# KiCad board DFTBoard.kicad_pcb (continued)
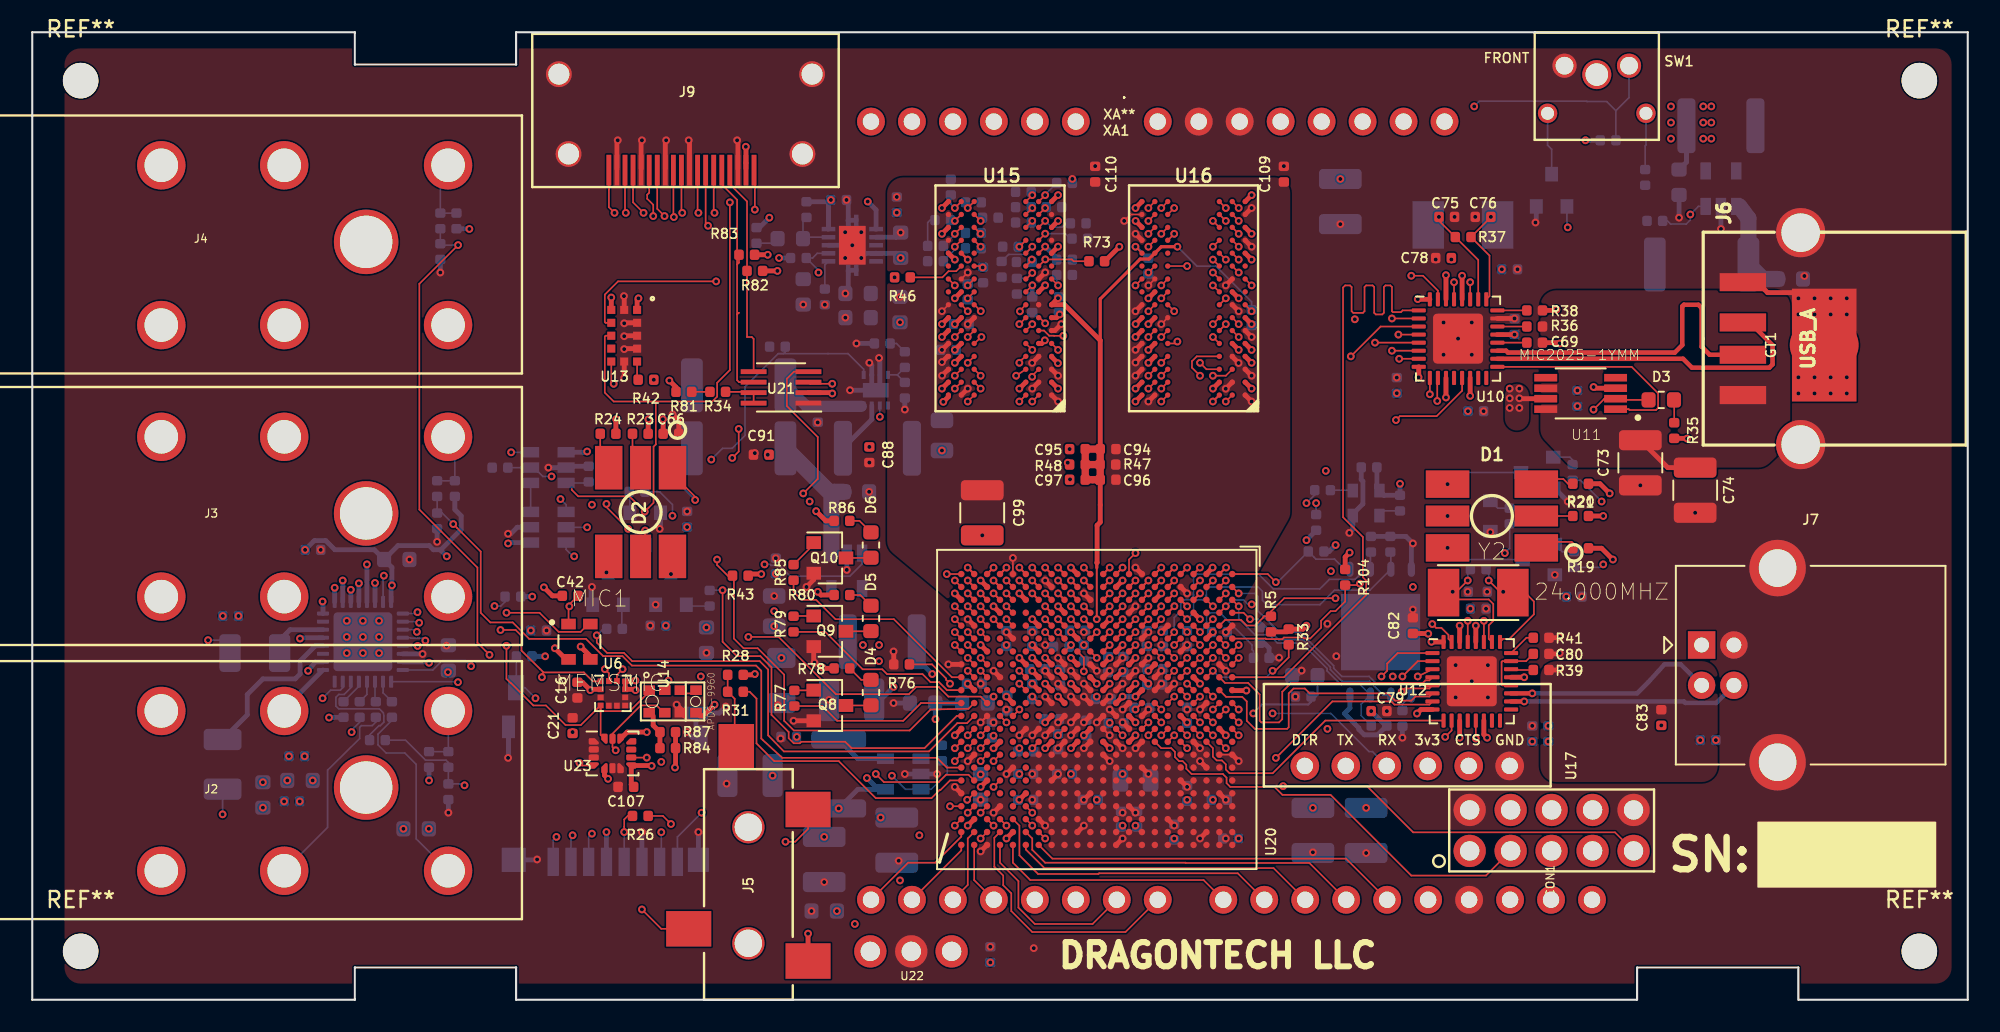
[diagram p0: board, top side]
## Routing (per net, layer and track width the routed paths; a pad name or vN(x,y) marks a point on that pad's centre or on a via; arc(x,y) is an arc through that point) (continued)
SD_D1: length 69.9
  TOP_GND w0.102: U20.E10 v1(71.6,18.8)
  SIGNAL4 w0.102: v1(41.5,11.6) 40.7,12.4 37.3,12.4 37,12.7 37,13.5 37.3,13.8 41.8,13.8 42.3,13.3 42.3,8.9 42.77,8.43 52.73,8.43 53.4,9.1 56.5,9.1 57.1,8.5 74.78,8.5 75.7,9.42 75.7,15.78 76.1,16.18 76.1,19 75.5,19.6 73.41,19.6 72.81,18.99 72.81,18.61 72.81,18.61 72.59,18.39 72.01,18.39 v1(71.6,18.8)
  BOTTOM w0.102: v1(41.5,11.6) 40,10.1 J8.8
SD_D2: length 69.1
  TOP_GND w0.102: U20.A8 v1(74.8,21.2)
  SIGNAL2 w0.102: v1(53.8,7.4) 53.52,7.12 53.52,6.22 52.4,5.1 51.98,5.1 50.59,3.71 47.69,3.71 46.3,5.1 43.3,5.1 43.23,5.11 43.17,5.13 43.11,5.17 43.07,5.21 43.03,5.27 43.01,5.33 42.99,5.47 42.97,5.53 42.93,5.59 42.89,5.63 42.83,5.67 42.77,5.69 42.7,5.7 42.3,5.7 42.23,5.69 42.17,5.67 42.11,5.63 42.07,5.59 42.03,5.53 42.01,5.47 42,5.4 42,4.8 41.99,4.73 41.97,4.67 41.93,4.61 41.89,4.57 41.83,4.53 41.77,4.51 41.7,4.5 41.3,4.5 41.23,4.51 41.17,4.53 41.11,4.57 41.07,4.61 41.03,4.67 41.01,4.73 41,4.8 41,5.4 40.99,5.47 40.97,5.53 40.93,5.59 40.89,5.63 40.83,5.67 40.77,5.69 40.7,5.7 40.3,5.7 40.23,5.69 40.17,5.67 40.11,5.63 40.07,5.59 40.03,5.53 40.01,5.47 39.99,5.33 39.97,5.27 39.93,5.21 39.89,5.17 39.83,5.13 39.77,5.11 39.7,5.1 38.88,5.1 34.28,9.7 32.9,9.7 v1(32.5,10.1)
  SIGNAL4 w0.102: v1(53.8,7.4) 54.8,7.4 54.9,7.5 76.6,7.5 77.1,8 77.1,14.09 77.6,14.58 77.6,17.64 77.02,18.22 77.02,19.34 75.15,21.2 v1(74.8,21.2)
  BOTTOM w0.102: J8.1 32.3,9.9 v1(32.5,10.1)
SD_D3: length 70.2
  TOP_GND w0.102: U20.F11 v1(70.8,18.8)
  SIGNAL4 w0.102: v1(70.8,18.8) 71.2,19.2 72.62,19.2 73.21,19.8 75.69,19.8 76.3,19.18 76.3,16.1 76.1,15.89 76.1,11.7 76.05,11.65 76.05,8.85 75.49,8.29 56.29,8.29 56.23,8.23 41.07,8.23 40.7,8.6 40.7,10.9 39.6,12 36.1,12 35.3,12.8 35.3,14 35,14.3 33.8,14.3 33.5,14 v1(33.5,10.2)
  BOTTOM w0.102: J8.2 33.4,10.1 v1(33.5,10.2)
STATLED_0: length 11.2
  TOP_GND w0.102: U20.AB11 55.1,18.4 54,17.3 49.9,17.3 48.99,18.22 47.2,18.22
STATLED_1: length 11.9
  TOP_GND w0.102: R79.2 49.16,22.81 51.49,20.49 52.69,20.49 52.99,20.19 55.19,20.19 55.69,19.69 56.22,19.69 56.72,19.2 U20.AB10
STATLED_2: length 13.3
  TOP_GND w0.102: U20.AB9 57.02,20 53.42,23.6 49.8,23.6 48.6,24.8 47.7,24.8 47.2,25.3 R85.2
TEMPO_LED: length 52.4
  TOP_GND w0.102: v1(62.8,22.8) U20.R6
  SIGNAL1 w0.102: v1(62.8,22.8) 63.99,21.61 68.57,21.61 68.58,21.6 68.79,21.81 68.79,22.97 69.03,23.21 70.61,23.21 71.4,24 72.22,24 72.8,24.58 72.8,25.5 72.9,25.6 73.38,25.6 73.61,25.83 73.61,26.19 73.83,26.41 74.21,26.41 75.4,27.6 75.4,29 79.7,33.3 79.7,40.9 85.1,46.3 93.6,46.3 v1(95.2,47.9)
  BOTTOM w0.102: v1(95.2,47.9) 95.15,47.95 Q7.1
TEMPO_SW: length 115
  TOP_GND w0.102: U20.Y14 v1(58.8,15.6)
  SIGNAL2 w0.102: v1(89.4,55.4) 88.6,56.2 51,56.2 48.6,53.8 47.2,53.8 44.4,51 39.52,51 37.19,48.67 37.19,39.21 39.71,36.69 40.62,36.69 42.73,34.59 43.28,34.59 46.53,31.34 46.53,26.49 50.51,22.51 50.51,21.71 53.43,18.79 53.59,18.79 54.2,18.18 54.2,17.4 55.59,16.01 58.39,16.01 v1(58.8,15.6)
  BOTTOM w0.102: SW1.2 99,55.95 98.19,55.14 ; v1(89.4,55.4) 89.73,55.73 96.37,55.73 96.4,55.7 97.62,55.7 98.19,55.14 ; 98.19,55.14 R44.2
TLV_RST#: length 50.2
  TOP_GND w0.102: v1(52.3,14) 52.8,13.5 56.2,13.5 56.65,13.95 58.05,13.95 U20.AA17
  SIGNAL1 w0.102: v1(52.3,14) 52.06,14.24 48.07,14.24 47.04,13.21 43.82,13.21 43.24,13.79 42.86,13.79 42.28,13.21 27.76,13.21 26.67,14.3 26.1,14.3 23,17.4 23,25.9 22.6,26.3 v1(21.8,26.3)
  BOTTOM w0.102: v1(21.8,26.3) 21.75,26.25 21.75,24.68
UART33_RX: length 18.5
  TOP_GND w0.102: U20.G7 v1(70,21.2)
  SIGNAL1 w0.102: v1(72.4,20.4) 72,20.8 70.4,20.8 v1(70,21.2)
  SIGNAL4 w0.102: v1(76.9,17.76) 76.81,17.85 76.81,19.25 75.27,20.8 72.8,20.8 v1(72.4,20.4)
  BOTTOM w0.102: v1(76.9,17.76) 80.51,17.76 82.88,15.39 83.09,15.39 U17.4
UART33_TX: length 14.7
  TOP_GND w0.102: U20.B4 v1(74,24.4)
  SIGNAL4 w0.102: U17.5 78.9,17.04 78.9,19.63 77.69,20.84 77.69,22.43 v1(75.61,24.52)
  BOTTOM w0.102: v1(74,24.4) 74.39,24.79 75.11,24.79 75.4,24.5
USB0_CLK: length 43
  TOP_GND w0.102: U20.A9 77.6,20 82.71,25.11 82.71,25.99 82.5,26.2 82.5,28.69 81.27,29.93 81.27,44.17 81.4,44.3 81.7,44.3 81.8,44.2 81.8,42.7 81.9,42.6 82.5,42.6 82.6,42.7 82.6,44.2 82.7,44.3 83.1,44.3 83.2,44.2 83.2,42.6 83.3,42.5 83.7,42.5 83.8,42.6 83.8,44.2 83.9,44.3 84.2,44.3 84.3,44.2 84.3,42.7 84.36,42.64 84.86,42.64 84.96,42.75 U10.1
USB0_D0: length 34.2
  TOP_GND w0.102: U10.3 83.6,41.75 v1(81.75,39.9) ; v1(73.2,22) 73.2,22 U20.C7
  SIGNAL2 w0.102: v1(81.75,39.9) 81.75,37.65 81.74,37.58 81.72,37.52 81.68,37.46 81.64,37.42 81.58,37.38 81.52,37.36 81.45,37.35 81.25,37.35 81.18,37.34 81.12,37.32 81.06,37.28 81.02,37.24 80.98,37.18 80.96,37.12 80.95,37.05 80.96,36.98 80.98,36.92 81.02,36.86 81.06,36.82 81.12,36.78 81.18,36.76 81.25,36.75 81.85,36.75 81.87,36.75 81.89,36.74 81.91,36.73 81.93,36.71 81.94,36.69 81.95,36.67 81.95,36.65 81.95,36.25 81.95,36.23 81.94,36.21 81.93,36.19 81.91,36.17 81.89,36.16 81.87,36.15 81.85,36.15 81.25,36.15 81.18,36.14 81.12,36.12 81.06,36.08 81.02,36.04 80.98,35.98 80.96,35.92 80.95,35.85 80.96,35.78 80.98,35.72 81.02,35.66 81.06,35.62 81.12,35.58 81.18,35.56 81.25,35.55 81.85,35.55 81.87,35.55 81.89,35.54 81.91,35.53 81.93,35.51 81.94,35.49 81.95,35.47 81.95,35.45 81.95,35.05 81.95,35.03 81.94,35.01 81.93,34.99 81.91,34.97 81.89,34.96 81.87,34.95 81.85,34.95 81.25,34.95 81.18,34.94 81.12,34.92 81.06,34.88 81.02,34.84 80.98,34.78 80.96,34.72 80.95,34.65 80.96,34.58 80.98,34.52 81.02,34.46 81.06,34.42 81.12,34.38 81.18,34.36 81.25,34.35 81.85,34.35 81.87,34.35 81.89,34.34 81.91,34.33 81.93,34.31 81.94,34.29 81.95,34.27 81.95,34.25 81.95,33.85 81.95,33.83 81.94,33.81 81.93,33.79 81.91,33.77 81.89,33.76 81.87,33.75 81.85,33.75 81.25,33.75 81.18,33.74 81.12,33.72 81.06,33.68 81.02,33.64 80.98,33.58 80.96,33.52 80.95,33.45 80.96,33.38 80.98,33.32 81.02,33.26 81.06,33.22 81.12,33.18 81.18,33.16 81.25,33.15 81.85,33.15 81.87,33.15 81.89,33.14 81.91,33.13 81.93,33.11 81.94,33.09 81.95,33.07 81.95,33.05 81.95,32.65 81.95,32.63 81.94,32.61 81.93,32.59 81.91,32.57 81.89,32.56 81.87,32.55 81.83,32.55 81.81,32.54 81.79,32.53 81.77,32.51 81.76,32.49 81.75,32.47 81.75,32.45 81.75,31.61 81.1,30.96 81.1,29.3 78.1,26.3 78.1,25.8 77.49,25.19 77.49,25.01 74.88,22.4 73.6,22.4 v1(73.2,22)
USB0_D1: length 41.3
  TOP_GND w0.102: v1(84.7,41.25) U10.4 ; U20.G13 v1(69.2,16.4)
  SIGNAL1 w0.102: v1(84.7,41.25) 85.19,40.76 85.19,26 85.2,26 v1(85.6,25.6)
  SIGNAL2 w0.102: v1(69.2,16.4) 71.2,14.4 77.09,14.4 82.8,20.11 82.8,20.23 84.49,21.92 84.49,24.49 v1(85.6,25.6)
USB0_D2: length 32.9
  TOP_GND w0.102: v1(74,18) U20.B12 ; U10.5 v1(83.25,40.75)
  SIGNAL2 w0.102: v1(83.25,40.75) 83.25,35.55 83.25,35.53 83.24,35.51 83.23,35.49 83.21,35.47 83.19,35.46 83.17,35.45 83.13,35.45 83.11,35.44 83.09,35.43 83.07,35.41 83.06,35.39 83.05,35.37 83.05,35.35 83.05,34.95 83.05,34.93 83.06,34.91 83.07,34.89 83.09,34.87 83.11,34.86 83.13,34.85 83.15,34.85 83.32,34.85 83.34,34.85 83.36,34.84 83.37,34.83 83.38,34.82 83.39,34.81 83.4,34.79 83.4,34.78 83.4,34.33 83.4,34.31 83.39,34.29 83.38,34.28 83.37,34.27 83.36,34.26 83.34,34.25 83.32,34.25 83.15,34.25 83.13,34.25 83.11,34.24 83.09,34.23 83.07,34.21 83.06,34.19 83.05,34.17 83.05,34.15 83.05,33.75 83.05,33.73 83.06,33.71 83.07,33.69 83.09,33.67 83.11,33.66 83.13,33.65 83.15,33.65 83.32,33.65 83.34,33.65 83.36,33.64 83.37,33.63 83.38,33.62 83.39,33.61 83.4,33.59 83.4,33.58 83.4,33.12 83.4,33.11 83.39,33.09 83.38,33.08 83.37,33.07 83.36,33.06 83.34,33.05 83.32,33.05 83.15,33.05 83.13,33.05 83.11,33.04 83.09,33.03 83.07,33.01 83.06,32.99 83.05,32.97 83.05,32.95 83.05,32.55 83.05,32.53 83.06,32.51 83.07,32.49 83.09,32.47 83.11,32.46 83.13,32.45 83.15,32.45 83.32,32.45 83.34,32.45 83.36,32.44 83.37,32.43 83.38,32.42 83.39,32.41 83.4,32.39 83.4,32.38 83.4,31.93 83.4,31.91 83.39,31.89 83.38,31.88 83.37,31.87 83.36,31.86 83.34,31.85 83.32,31.85 83.15,31.85 83.13,31.85 83.11,31.84 83.09,31.83 83.07,31.81 83.06,31.79 83.05,31.77 83.05,31.75 83.05,31.35 83.05,31.33 83.06,31.31 83.07,31.29 83.09,31.27 83.11,31.26 83.13,31.25 83.15,31.25 83.32,31.25 83.34,31.25 83.36,31.24 83.37,31.23 83.38,31.22 83.39,31.21 83.4,31.19 83.4,31.18 83.4,30.72 83.4,30.71 83.39,30.69 83.38,30.68 83.37,30.67 83.36,30.66 83.34,30.65 83.32,30.65 83.15,30.65 83.13,30.65 83.11,30.64 83.09,30.63 83.07,30.61 83.06,30.59 83.05,30.57 83.05,30.55 83.05,30.15 83.05,30.13 83.06,30.11 83.07,30.09 83.09,30.07 83.11,30.06 83.13,30.05 83.15,30.05 83.32,30.05 83.34,30.05 83.36,30.04 83.37,30.03 83.38,30.02 83.39,30.01 83.4,29.99 83.4,29.97 83.4,29.53 83.4,29.51 83.39,29.49 83.38,29.48 83.37,29.47 83.36,29.46 83.34,29.45 83.32,29.45 83.15,29.45 83.13,29.45 83.11,29.44 83.09,29.43 83.07,29.41 83.06,29.39 83.05,29.37 83.05,29.35 83.05,28.95 83.05,28.93 83.06,28.91 83.07,28.89 83.09,28.87 83.11,28.86 83.13,28.85 83.17,28.85 83.19,28.84 83.21,28.83 83.23,28.81 83.24,28.79 83.25,28.77 83.25,28.75 83.25,27.95 78.89,23.59 78.81,23.59 78.61,23.39 78.61,23.31 74,18.7 v1(74,18)
USB0_D3: length 36.7
  TOP_GND w0.102: U20.F14 v1(70.8,16.4) ; U10.6 v1(84.3,40.25)
  SIGNAL2 w0.102: v1(70.8,16.4) 71.19,16.01 76.12,16.01 76.71,16.6 77,16.6 82.97,22.57 82.97,24.43 85.14,26.59 85.14,30.66 85.4,30.91 85.4,32.29 85.14,32.54 85.14,39.94 84.83,40.25 v1(84.3,40.25)
USB0_D4: length 32.4
  TOP_GND w0.102: U20.A12 v1(74.8,17.2) ; v1(84.75,39.75) U10.7
  SIGNAL2 w0.102: v1(84.75,39.75) 84,39 84,36.2 84,36.19 84,36.18 83.99,36.17 83.98,36.16 83.97,36.15 83.96,36.15 83.94,36.15 83.93,36.15 83.92,36.14 83.91,36.13 83.9,36.12 83.9,36.11 83.9,36.1 83.9,35.6 83.9,35.59 83.9,35.58 83.91,35.57 83.92,35.56 83.93,35.55 83.94,35.55 83.95,35.55 84.15,35.55 84.18,35.55 84.22,35.54 84.24,35.52 84.27,35.49 84.29,35.47 84.3,35.43 84.3,35.4 84.3,35.1 84.3,35.07 84.29,35.03 84.27,35.01 84.24,34.98 84.22,34.96 84.18,34.95 84.15,34.95 83.95,34.95 83.94,34.95 83.93,34.95 83.92,34.94 83.91,34.93 83.9,34.92 83.9,34.91 83.9,34.9 83.9,34.4 83.9,34.39 83.9,34.38 83.91,34.37 83.92,34.36 83.93,34.35 83.94,34.35 83.95,34.35 84.15,34.35 84.18,34.35 84.22,34.34 84.24,34.32 84.27,34.29 84.29,34.27 84.3,34.23 84.3,34.2 84.3,33.9 84.3,33.87 84.29,33.83 84.27,33.81 84.24,33.78 84.22,33.76 84.18,33.75 84.15,33.75 83.95,33.75 83.94,33.75 83.93,33.75 83.92,33.74 83.91,33.73 83.9,33.72 83.9,33.71 83.9,33.7 83.9,33.2 83.9,33.19 83.9,33.18 83.91,33.17 83.92,33.16 83.93,33.15 83.94,33.15 83.95,33.15 84.15,33.15 84.18,33.15 84.22,33.14 84.24,33.12 84.27,33.09 84.29,33.07 84.3,33.03 84.3,33 84.3,32.7 84.3,32.67 84.29,32.63 84.27,32.61 84.24,32.58 84.22,32.56 84.18,32.55 84.12,32.55 84.08,32.54 84.06,32.52 84.03,32.49 84.01,32.47 84,32.43 84,32.4 84,26.4 82.04,24.44 81.99,24.4 81.94,24.38 81.89,24.37 81.83,24.37 81.78,24.38 81.73,24.4 81.64,24.47 81.59,24.5 81.54,24.51 81.48,24.51 81.42,24.5 81.37,24.47 81.33,24.44 81.26,24.37 81.22,24.32 81.2,24.27 81.19,24.22 81.19,24.16 81.2,24.11 81.22,24.06 81.26,24.01 81.68,23.59 81.73,23.54 81.75,23.48 81.77,23.41 81.77,23.34 81.75,23.28 81.73,23.22 81.68,23.16 81.63,23.12 81.57,23.09 81.51,23.08 81.44,23.08 81.37,23.09 81.31,23.12 81.26,23.16 81.22,23.2 81.17,23.24 81.11,23.27 81.05,23.29 80.98,23.29 80.91,23.27 80.85,23.24 80.8,23.2 76.15,18.55 76.15,17.65 75.7,17.2 v1(74.8,17.2)
USB0_D5: length 30.4
  TOP_GND w0.102: U10.9 v1(86.65,37.55) ; U20.B14 v1(74,15.6)
  SIGNAL2 w0.102: v1(86.65,37.55) 86.65,27.66 83.29,24.31 83.29,22.09 77.3,16.1 76.5,16.1 76,15.6 v1(74,15.6)
USB0_D6: length 35.7
  TOP_GND w0.102: U10.10 87.11,38.52 v1(87.11,37.13) ; U20.F13 v1(70,16.4)
  SIGNAL2 w0.102: v1(70,16.4) 71.19,15.21 76.51,15.21 76.9,15.6 77.5,15.6 83.72,21.82 83.72,24.38 87.11,27.76 v1(87.11,37.13)
USB0_D7: length 32.2
  TOP_GND w0.102: v1(84.55,35.95) 84.79,36.19 87.07,36.19 88.65,37.77 U10.13 ; U20.C13 v1(73.2,16.4)
  SIGNAL2 w0.102: v1(84.55,35.95) 84.55,32.55 84.2,32.2 84.2,31 84.55,30.65 84.55,26.66 83.9,26.01 83.9,25.8 82.45,24.35 82.45,23.58 77.02,18.15 76.71,18.15 76.35,17.79 76.35,17.35 75.79,16.79 73.59,16.79 v1(73.2,16.4)
USB0_dir: length 34.3
  TOP_GND w0.102: U10.31 87.15,43.97 86.22,44.9 v1(85.5,44.9) ; U20.E8 v1(71.6,21.2)
  SIGNAL2 w0.102: v1(85.5,44.9) 82.2,41.6 82.2,28.82 74.97,21.59 72.14,21.59 71.75,21.2 v1(71.6,21.2)
USB0_nxt: length 33.5
  TOP_GND w0.102: U20.F9 v1(70.8,20.4) ; U10.2 v1(84.3,42.25)
  SIGNAL1 w0.102: v1(84.3,42.25) 82.05,42.25 v1(82,42.2)
  SIGNAL2 w0.102: v1(82,42.2) 80.7,40.9 80.7,29.3 77.85,26.45 77.85,26.07 77.29,25.51 76.83,25.51 76.41,25.09 76.41,24.51 75.99,24.09 75.41,24.09 74.52,23.2 71.3,23.2 71.21,23.11 71.21,20.81 v1(70.8,20.4)
USB0_RST: length 38.2
  TOP_GND w0.102: U20.D10 v1(71.6,19.6) ; U10.27 v1(89.15,44.5)
  SIGNAL2 w0.102: v1(71.6,19.6) 72,20 74.45,20 78.2,23.75 78.33,23.75 82.8,28.22 82.8,41.45 86.68,45.33 88.81,45.33 89.15,44.98 v1(89.15,44.5)
USB0_stp: length 34.8
  TOP_GND w0.102: U20.A11 v1(74.8,18) ; v1(88.15,44.5) U10.29
  SIGNAL2 w0.102: v1(88.15,44.5) 86.52,42.87 85.57,42.87 83.65,40.95 83.65,26.56 82.04,24.95 81.5,24.95 80.72,24.18 80.58,24.18 79.9,23.5 79.9,22.76 75.14,18 v1(74.8,18)
USB1_CLK: length 16.4
  TOP_GND w0.102: v1(83.65,20.05) 84,20.4 84,20.85 84.65,21.5 U12.1 ; U20.D11 v1(72.4,18.8)
  SIGNAL1 w0.102: v1(83.65,20.05) 83.4,19.8 82.95,19.8 82.75,19.6 73.13,19.6 72.4,18.87 v1(72.4,18.8)
USB1_D0: length 22.1
  TOP_GND w0.102: U12.3 v1(85.9,20.05) ; U20.E13 v1(71.6,16.4)
  SIGNAL1 w0.102: v1(71.6,16.4) 72.01,16.81 72.01,19.79 72.22,20 82.15,20 84.15,22 85.68,22 86.34,21.34 86.34,20.81 86.03,20.5 v1(85.9,20.05)
USB1_D1: length 17.5
  TOP_GND w0.102: U20.B9 73.95,19.65 75.38,19.65 76.1,18.93 76.1,17.3 76.2,17.2 77.3,17.2 77.5,17.4 77.5,19.1 78.05,19.65 86.22,19.65 86.37,19.8 86.62,19.8 U12.4
USB1_D2: length 17
  TOP_GND w0.102: U12.5 86.62,19.3 85.1,19.3 v1(84.9,19.11) ; U20.D12 v1(72.4,17.2)
  SIGNAL1 w0.102: v1(72.4,17.2) 72.79,17.59 75.09,17.59 75.49,17.2 84.2,17.2 84.9,17.9 v1(84.9,19.11)
USB1_D3: length 17.7
  TOP_GND w0.102: U12.6 86.62,18.8 85.75,18.8 85.5,18.55 84.5,18.55 84.05,19 79.2,19 78.9,19.3 78.2,19.3 77.9,19 77.9,16.9 77.8,16.8 75.8,16.8 75.3,17.3 75.3,18.5 75.02,18.78 74.02,18.78 U20.B10
USB1_D4: length 18.1
  TOP_GND w0.102: U20.E14 v1(71.6,15.6) ; v1(77.1,15) 80.61,18.5 84.26,18.5 84.46,18.3 86.62,18.3 U12.7
  SIGNAL1 w0.102: v1(71.6,15.6) 72,15.2 72.8,15.2 73.6,14.4 76.51,14.4 v1(77.1,15)
USB1_D5: length 17.4
  TOP_GND w0.102: U20.C14 73.2,15.6 73.2,15.08 73.44,14.84 73.76,14.84 74,14.6 74,14.28 74.23,14.05 76.9,14.05 80.17,17.31 U12.9
USB1_D6: length 17.4
  TOP_GND w0.102: U20.D13 v1(72.4,16.4) ; v1(87.6,16.3) 88,16.7 U12.10
  SIGNAL1 w0.102: v1(72.4,16.4) 72.8,16 84.62,16 84.76,15.86 87.16,15.86 v1(87.6,16.3)
USB1_D7: length 20.1
  TOP_GND w0.102: U20.C10 v1(73.2,18.8) ; v1(89.5,16.2) U12.13
  SIGNAL1 w0.102: v1(89.5,16.2) 86.2,19.5 84.69,19.5 83.6,18.41 82.51,18.41 82.3,18.2 75.6,18.2 75.24,18.56 73.44,18.56 v1(73.2,18.8)
USB1_dir: length 17
  TOP_GND w0.102: U20.C8 v1(73.2,21.2) ; v1(86.8,23.3) 87.04,23.06 87.37,23.06 87.8,22.63 87.8,22.38 U12.31
  SIGNAL1 w0.102: v1(73.2,21.2) 73.59,20.81 80.91,20.81 82.7,22.6 84.4,22.6 v1(86.8,23.3)
USB1_nxt: length 16.9
  TOP_GND w0.102: v1(84.95,20.05) 85.9,21 U12.2 ; U20.B11 v1(73.2,18)
  SIGNAL1 w0.102: v1(84.95,20.05) 84.2,19.3 76.1,19.3 75.58,18.78 75.03,18.78 74.62,19.19 73.01,19.19 72.81,18.99 72.81,18.39 v1(73.2,18)
USB1_RST: length 28.8
  TOP_GND w0.102: v1(90,23.5) U12.27 ; U20.C12 v1(73.2,17.2)
  SIGNAL1 w0.102: 80.31,16.81 73.59,16.81 v1(73.2,17.2) ; 80.31,16.81 v1(80.3,16.8) ; 80.31,16.81 87.67,16.81 88.11,16.37 88.11,16.06 88.37,15.8 90.65,15.8 90.95,16.1 90.95,23.3 90.75,23.5 v1(90,23.5)
USB1_stp: length 20
  TOP_GND w0.102: U12.29 v1(89,23.5) ; U20.D8 v1(72.4,21.2)
  SIGNAL1 w0.102: v1(72.4,21.2) 72.81,21.61 72.81,22.2 73,22.4 80.5,22.4 81.8,23.7 88.9,23.7 89,23.6 v1(89,23.5)
USBD_D_N: length 13.1
  TOP_GND w0.28: U12.19 v1(93,19)
  BOTTOM w0.28: v1(93,19) 99.5,19 100.2,19.7 101.2,20.8 102.2,20.8 J7.2
USBD_D_P: length 14.3
  TOP_GND w0.28: U12.18 v1(92.5,18.5)
  BOTTOM w0.28: v1(92.5,18.5) 102.4,18.5 102.49,18.41 104.41,18.41 J7.3
USBH_CPEN: length 14.3
  TOP_GND w0.102: U10.17 99.16,39.25 100.8,37.61 100.8,36.7 100.67,36.57 99.03,36.57 98.98,36.62 U11.1
USBH_D_N: length 20.6
  TOP_GND w0.28: J6.2 104,40 103.5,40.5 103.5,42.9 103.3,43.1 102.4,43.1 102.3,43 102.3,40.6 101.83,40.13 91.49,40.13 91.38,40.25 U10.19
USBH_D_P: length 20.9
  TOP_GND w0.28: 106.12,42 106.49,42 107.9,40.59 107.9,39.4 107.69,39.2 102.9,39.2 102.35,39.75 U10.18
USBH_FAULT: length 36
  TOP_GND w0.102: U20.B7 v1(74,21.2) ; v1(96.8,36.6) 97.47,37.28 98.16,37.28 98.24,37.2 D3.1
  SIGNAL1 w0.102: v1(96.8,36.6) 96.8,36 85.31,24.51 82.59,24.51 v1(80.52,26.58)
  SIGNAL2 w0.102: v1(74,21.2) 74.39,20.81 74.97,20.81 80.52,26.36 v1(80.52,26.58)
USBH_VBUS: length 4.1
  TOP_GND w0.3: C73.2 101.4,33 C74.2
VMODE0: length 6.3
  TOP_GND w0.102: U20.D5 v1(72.4,22.8)
  BOTTOM w0.102: 75.72,21.2 75.72,21.62 75.63,21.71 75.63,22 73.64,23.99 73.01,23.99 72.81,23.79 72.81,23.41 72.64,23.24 72.64,23.04 v1(72.4,22.8)
VMODE1: length 0.6
  TOP_GND w0.102: v1(71.6,22.81) 71.21,23.2 U20.E5
ZYNQ_POR: length 94.2
  TOP_GND w0.102: U20.B5 73.95,23.55 74.95,23.55 75.29,23.21 75.82,23.21 76.31,23.69 76.31,23.71 76.38,23.78 76.8,23.78 76.8,24.08 77.62,24.9 v1(80.8,24.9)
  SIGNAL4 w0.102: v1(32.75,31.05) 32.75,38.6 32.8,38.65 36.51,42.34 37.56,42.34 45.92,50.7 50.4,50.7 51,51.3 76.2,51.3 81.2,46.3 81.2,25.3 v1(80.8,24.9)
  BOTTOM w0.102: U2.4 33.1,30.7 v1(32.75,31.05)
Net-(C1-Pad1): length 1.4
  BOTTOM w0.102: C1.1 34.44,32.05 U1.3
Net-(C45-Pad2): length 1.6
  BOTTOM w0.102: C45.2 20.25,19.44 U9.13
Net-(C69-Pad2): length 1.8
  TOP_GND w0.102: C69.2 U10.20
Net-(C75-Pad2): length 6.1
  TOP_GND w0.102: v1(87.22,48.55) 87.22,48.31 R37.1 89.65,45.88 U10.26
Net-(C76-Pad2): length 6.2
  TOP_GND w0.102: v1(90.44,48.55) 90.44,48.53 R37.2 90.35,46.15 90.35,43.64 U10.25
Net-(C80-Pad2): length 4.2
  TOP_GND w0.102: C80.2 92.62,21 U12.23 91.15,21 91.1,20.95 91.1,19.55 91.15,19.5 U12.20
Net-(C84-Pad2): length 8.5
  TOP_GND w0.102: 87.56,25.3 88.04,24.83 90.3,24.83 90.58,24.55 90.58,23.5 90.3,23.22 90.3,22.38 U12.26 ; v1(89,26) 88.25,25.25 Y2.1
  BOTTOM w0.102: v1(89,26) 89,26.53 R40.1
  vias: v1(88.06,25.3)
Net-(C85-Pad2): length 7.8
  TOP_GND w0.102: U12.25 91.2,22.38 91.58,22.38 93.1,23.9 93.1,24.7 92.5,25.3 91.74,25.3 ; v1(90.3,26) 91.05,25.25 Y2.2
  BOTTOM w0.102: R40.2 90.3,26.53 v1(90.3,26)
  vias: v1(91.2,25.3)
Net-(C131-Pad1): length 1.8
  BOTTOM w0.102: U8.6 49.14,45.56 C131.1
Net-(D7-Pad1): length 3
  BOTTOM w0.102: U8.9 47.88,47.29 D7.1 47.79,48.3 R101.2
Net-(L1-Pad1): length 3.4
  BOTTOM w0.3: U5.7 52.05,35.99 L1.1
Net-(Q1-Pad1): length 1.4
  BOTTOM w0.102: Q1.1 94.87,27.78 95.6,27.78
Net-(Q2-Pad1): length 1.5
  BOTTOM w0.102: 40.55,24.4 40.56,24.41 R12.1
Net-(Q3-Pad1): length 1.4
  BOTTOM w0.102: Q3.1 90.87,30.49 R13.1
Net-(Q4-Pad1): length 1.3
  BOTTOM w0.102: Q4.1 37.05,31.47 R14.1
Net-(Q5-Pad1): length 1.6
  BOTTOM w0.102: Q5.1 95.33,33.65 95.5,33.48 R15.1
Net-(Q6-Pad1): length 1.7
  BOTTOM w0.102: 36.55,24.5 36.55,22.85
Net-(R6-Pad1): length 1.9
  BOTTOM w0.102: 53.63,38.75 R6.1 ; 53.63,38.75 R7.1 ; 53.63,38.75 U5.4
Net-(R7-Pad2): length 1.1
  BOTTOM w0.102: R7.2 53.59,40.7 R8.1
Net-(R26-Pad1): length 67.8
  TOP_GND w0.102: v1(39.6,10.9) 39.1,11.4 R26.1 ; U20.D6 v1(72.4,22)
  SIGNAL2 w0.102: v1(51,4.7) 50.11,4.7 48.91,5.89 44.61,5.89 v1(39.6,10.9)
  SIGNAL4 w0.102: v1(51,4.7) 51.3,4.4 58.1,4.4 58.1,4.4 76.9,4.4 77.91,5.41 77.91,6.62 78.1,6.81 78.1,12.16 79.94,14 79.94,15 78.97,15.97 78.97,16.68 78.6,17.05 78.6,17.93 77.9,18.63 77.9,20.03 76.9,21.03 76.9,21.9 76.3,22.5 75.27,22.5 75.17,22.4 74.6,22.4 74.4,22.2 74.4,21.7 74.3,21.6 72.8,21.6 v1(72.4,22)
Net-(R33-Pad1): length 6.7
  TOP_GND w0.102: v1(73.2,20.4) U20.C9 ; v1(76.9,20.4) 77.07,20.4 77.9,21.23 R33.1
  BOTTOM w0.102: v1(76.9,20.4) 76.5,20 73.6,20 v1(73.2,20.4)
Net-(R34-Pad1): length 2.4
  TOP_GND w0.102: 44.72,37 44.72,37.65 44.68,37.7 R34.1
Net-(R34-Pad2): length 1.1
  TOP_GND w0.102: R34.2 40.88,37.7
Net-(R36-Pad1): length 1.8
  TOP_GND w0.102: R36.1 U10.22
Net-(R38-Pad1): length 1.8
  TOP_GND w0.102: R38.1 U10.24
Net-(R39-Pad1): length 1.4
  TOP_GND w0.102: R39.1 91.74,20.45 U12.22
Net-(R41-Pad1): length 1.8
  TOP_GND w0.102: U12.24 92.64,22.45 R41.1
Net-(R42-Pad2): length 1.2
  TOP_GND w0.102: R42.2 37.5,38.52 U13.5
Net-(R75-Pad1): length 1.6
  TOP_GND w0.102: U20.M7 v1(66,21.2)
  BOTTOM w0.102: 65.2,21.2 R75.1 65.38,21.2 v1(66,21.2)
Net-(R76-Pad1): length 13.6
  TOP_GND w0.102: 54.38,20.8 55.78,20.8 56.66,19.92 56.66,19.84 v1(56.9,19.6) ; v1(65.2,20.37) 65.2,21.2 U20.N7
  SIGNAL1 w0.102: v1(56.9,19.6) 57.29,19.21 58.19,19.21 58.39,19.41 58.39,19.79 58.61,20.01 64.84,20.01 v1(65.2,20.37)
Net-(R98-Pad1): length 1.4
  BOTTOM w0.102: R98.1 83.81,30.31 U18.1
Net-(R100-Pad1): length 15.8
  TOP_GND w0.102: U20.F7 v1(70.8,21.2)
  SIGNAL1 w0.102: v1(70.8,21.2) 71.19,21.59 71.19,22.79 71.21,22.81 71.21,23 71.41,23.2 72.6,23.2 72.81,23.41 72.81,23.79 73.02,24 73.38,24 73.61,24.23 73.61,25.41 73.8,25.6 74.4,25.6 79,30.2 v1(79,30.8)
  BOTTOM w0.102: v1(79,30.8) 79.51,31.31 R100.1
Net-(R105-Pad1): length 7.3
  BOTTOM w0.102: R105.1 20.92,16.42 21.5,17 21.58,17 21.8,17.22 21.8,17.6 21.77,17.79 21.52,18.04 19,18.04 18.83,18.21 18.83,18.76 19,18.93 19.33,18.93 19.75,19.35 U9.14
Net-(U1-Pad4): length 1.8
  BOTTOM w0.102: U1.4 U2.3
Net-(U14-Pad3): length 1
  TOP_GND w0.102: 40.43,19 41.4,19

## Copper pours and planes (outline as drawn; the poured copper is in the pictures)
+1V0 on SIGNAL4: 45.3,13.8 49,9.6 52.9,11 56.61,17.56 60.89,15.44 59.45,14.7 58.4,14.4 58.4,13.7 59.2,13.4 69.3,15.2 69.6,15.5 69.6,21.4 69.2,21.8 62.8,21.8 61.89,21.47 61.11,20.53 60.93,17.5 57.68,19.15 50.73,21.73 49.67,19.77 44.9,21.18
+1V8 on BOTTOM: 51,26.5 56.7,26.5 56.7,18 51,18
+1V8 on SIGNAL1: 111.2,59 111.19,12.85 18.8,12.9 18.82,20.9 47.1,20.8 47.1,33 18.84,33 18.89,59
+1V8 on SIGNAL2: 2,59 119,59 119,1 2,1
+1V35 on TOP_GND: 53,51 78,51 78,30 74,23 59,23 53,28
+1V35 on BOTTOM: 52.9,39.9 76.5,40 76.5,32 71.93,25 70,23 70,21.6 64.5,21.6 64.5,23 61,23 52.9,27.9
+3V3 on BOTTOM: 104.6,56.4 104.6,50.4 101.1,50.4 101.1,56.4
+3V3 on SIGNAL4: 2,59 119,59 119,1 2,1
+5V on TOP_GND: 92.8,38.2 92.8,35.3 91.3,35.3 91.3,38.2
+5V on TOP_GND: 93.5,21 104.5,21 104.5,13.5 93.5,13.5
+5V on BOTTOM: 2,1 119,1 119,59 2,59
/Power/1V8TOLX on BOTTOM: 49.1,26.05 51,26.05 51,20.95 49.1,20.95
/Power/3V3TOLX on BOTTOM: 108.1,56.4 108.1,50.4 104.7,50.4 104.7,56.4
/Power/VCCAUX on SIGNAL2: 75.9,17.6 70.2,17.6 68.6,19.1 66.4,19.1 66.4,20.1 75.9,20.1
/Power/VCCAUX on SIGNAL4: 62.4,20 66.68,20 66.9,19.9 67.4,19.4 67.2,19.2 67.2,18.5 67,18.3 62.9,18.3 62.4,18.8
GND on TOP_GND: 119,1 2,1 2,59 119,59
GND on GND0: 119,59 119,1 2,1 2,59
GND on GND1: 119.01,59 119,1 2.01,1 2.01,59
GND on GND2: 119,59 119,1 2,1 2,59
GNDA on SIGNAL1: 2,59 119,59 119,1 2,1
DDR3_VTT on BOTTOM: 44.7,53 44.7,41 67.7,41 67.7,53
USBH_VBUS on TOP_GND: 93.5,44 109,44 109,34.5 107.4,33 95.4,33 93.5,35

## Text on the board
B.SilkS: DRAGONTECH LLC
Cmts.User: ER-TFT028-4 | A UPPER | A LOWER | D LOWER | D UPPER
F.SilkS: DRAGONTECH LLC | SN:
